# KiCad board Djinn.kicad_pcb (continued)
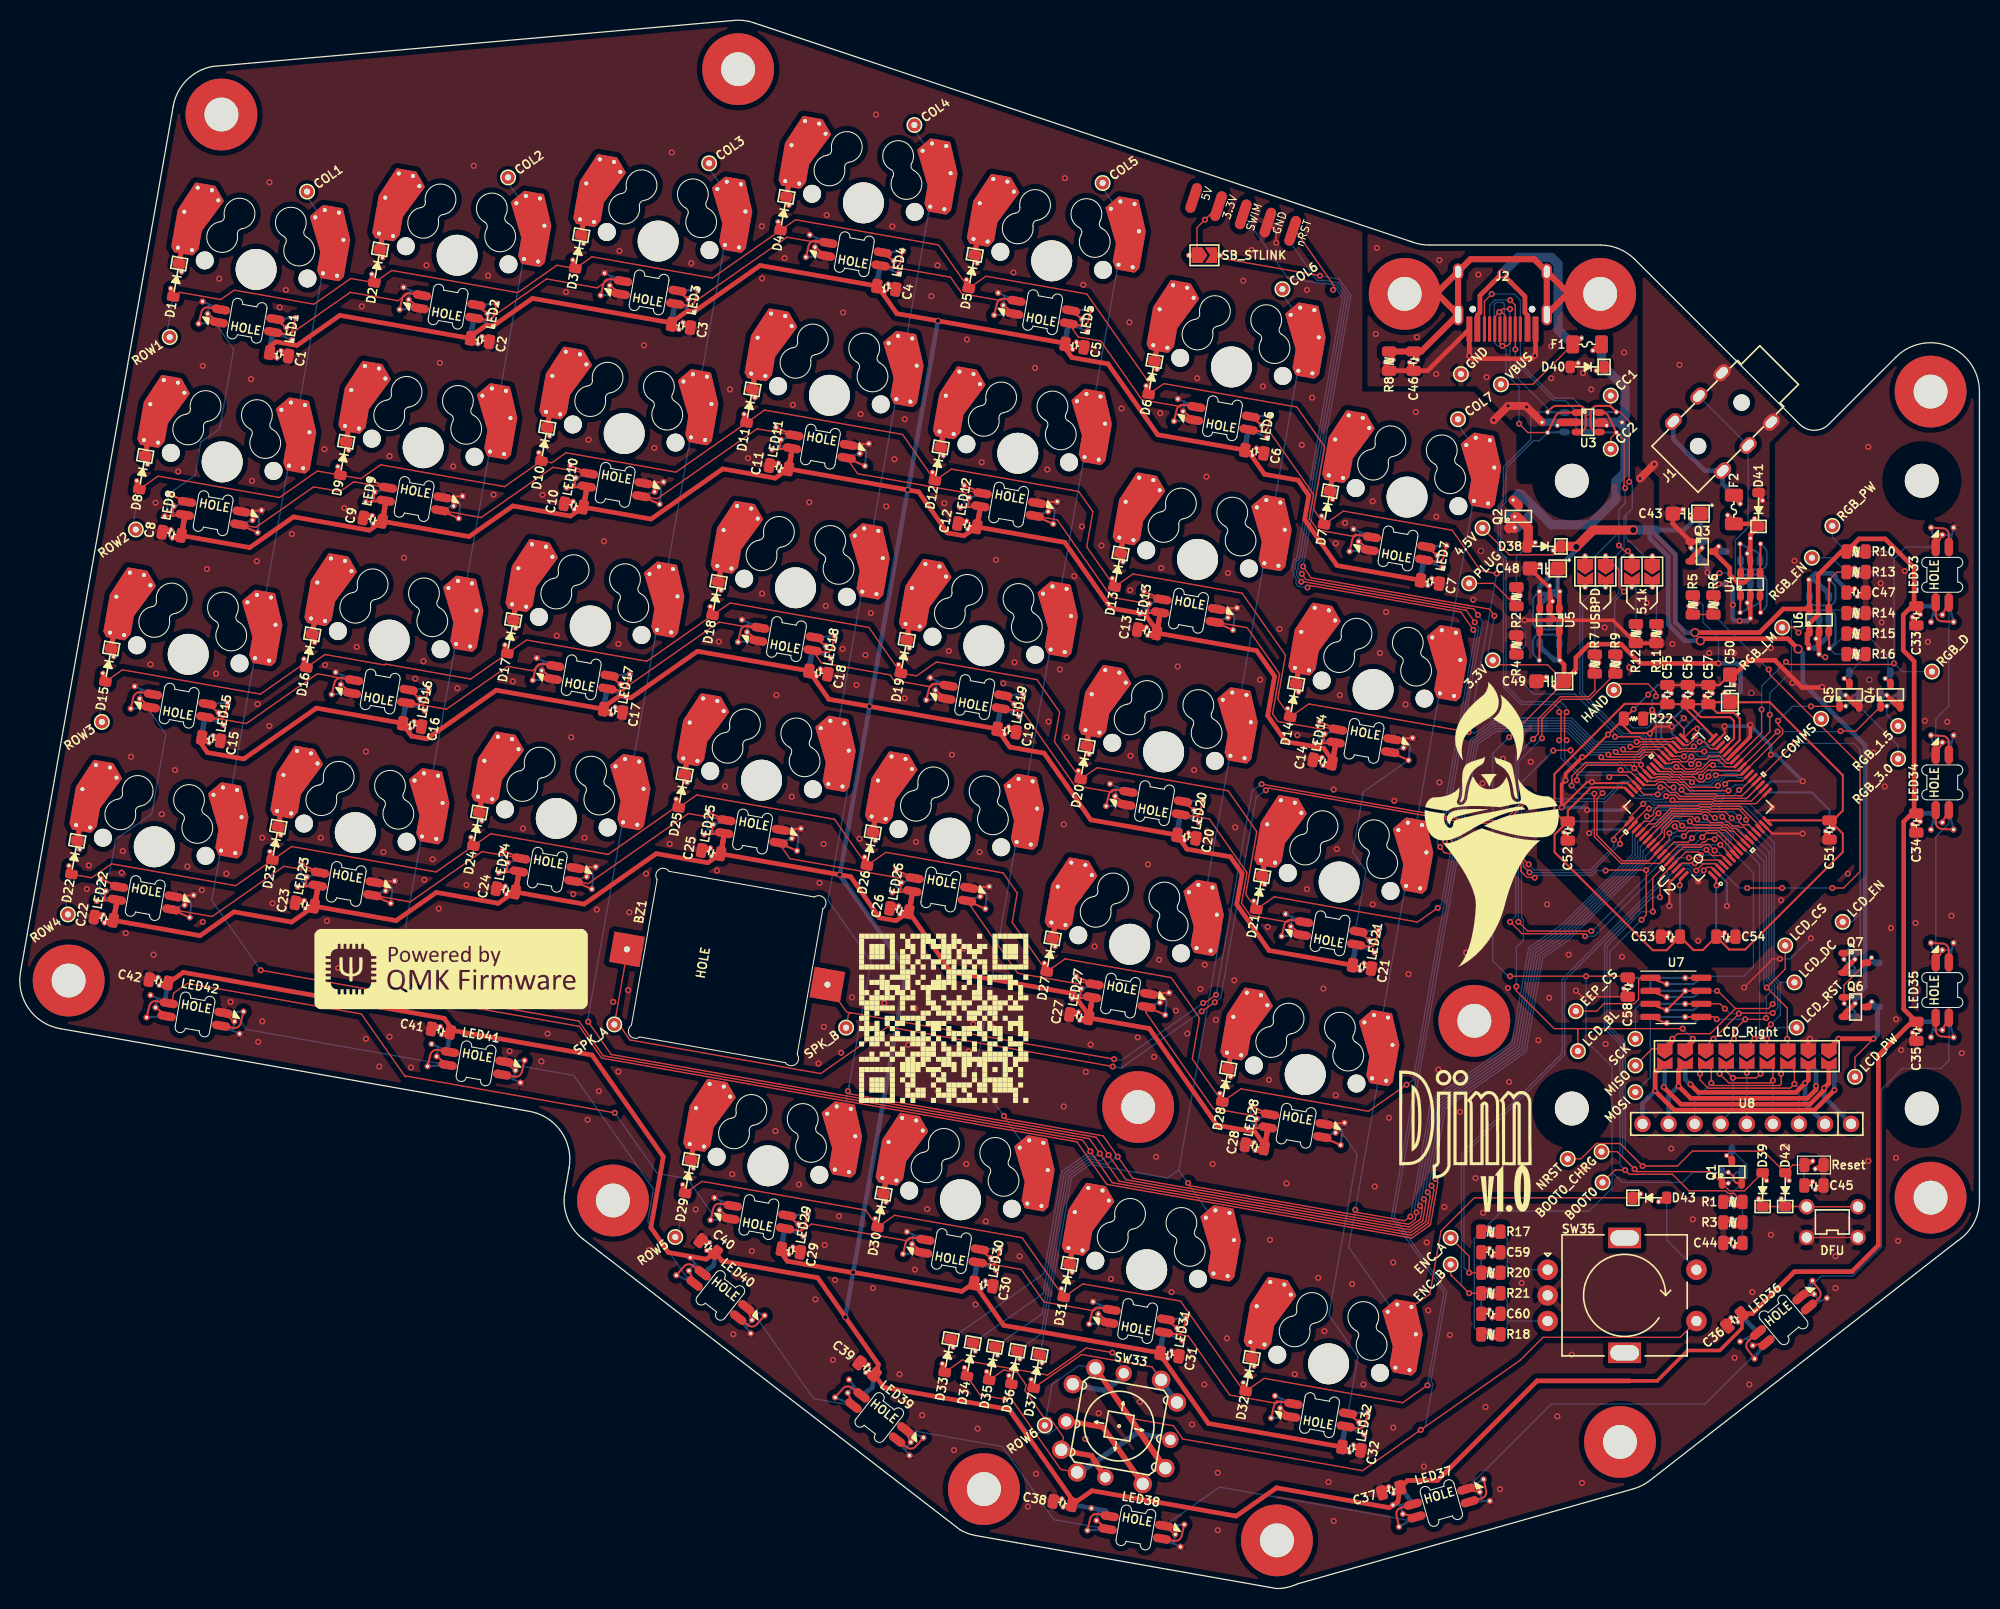
[diagram p0: board, top side]
## Routing (per net, layer and track width the routed paths; a pad name or vN(x,y) marks a point on that pad's centre or on a via; arc(x,y) is an arc through that point) (continued)
ROW5: length 184.8
  Top w0.127: v1(163.53,80.37) 163.04,79.88 162.27,79.88 161.99,80.16 161.97,80.16 161.54,80.59 161.23,80.59 161.2,80.56 161,80.56 160.9,80.45 160.3,80.45 U2.39 159.92,80.79 159.19,81.53 158.24,81.53 157.76,81.05 154.96,81.05 v1(154.73,81.29) ; v1(137.1,19.81) 134.67,18.11 121.18,20.49 D32.2 119.16,19.27 113.04,28.01 103.51,29.7 D31.2 97.61,34.19 85.17,36.38 D30.2 82.37,36.88 66.41,39.69 D29.2
  Bottom w0.127: v1(154.73,81.29) 154.49,81.53 153.05,81.53 150.75,83.83 146.27,83.83 146.82,83.83 ; v1(163.53,80.37) 164.25,80.37 164.64,80.76 165.23,80.76 165.54,80.44 166.68,80.44 U1.39 ; 148.77,83.83 146.82,83.83 ; 146.82,83.83 143.71,83.83 141.75,82.46 133.59,36.17 138.7,28.87 v1(137.1,19.81) ; TP30.1 64.04,34.43 D29.2 ; 146.19,83.83 146.3,83.83
ROW6: length 171.8
  Top w0.127: v1(164.92,80.27) 164.52,80.27 163.87,79.62 163.51,79.62 163.26,79.37 162.06,79.37 161.84,79.6 161.11,79.6 160.81,79.9 160.14,79.9 U2.40 158.8,81.24 158.31,81.24 157.87,80.8 154.26,80.8 v1(154.02,81.03) ; SW35.S1 161.72,24.49 148.36,24.49 146.11,22.23 ; SW33.4 112.35,15.86 113.25,14.57 130.76,11.49 136.21,15.3 ; 146.11,22.23 136.21,15.3 ; 146.11,22.23 146.17,22.27 ; 136.21,15.3 v1(136.44,15.46)
  Bottom w0.127: v1(154.02,81.03) 153.79,81.27 152.95,81.27 150.65,83.57 146.77,83.57 ; v1(164.92,80.27) 165.08,80.1 167.05,80.1 U1.40 ; 146.77,83.57 146.27,83.57 ; 146.77,83.57 144.04,83.57 ; 144.04,83.57 143.87,83.57 ; 144.04,83.57 143.79,83.57 141.98,82.31 133.86,36.23 138.97,28.93 137.44,20.23 137.63,19.96 136.89,15.78 v1(136.44,15.46) ; 146.41,83.57 146.27,83.57 ; 146.41,83.57 148.77,83.57 ; 146.41,83.57 146.32,83.57 ; TP32.1 100.51,19.9 103.15,21.75 SW33.4
SCK: length 50.8
  Top w0.127: U2.52 158.64,74.53 159.26,74.53 160.77,76.03 163.56,76.03 163.71,76.18 164.61,76.18 164.79,76 167.42,76 168.15,75.27 v1(168.15,74.93) ; 164.21,53.07 J5.5 ; v1(166.08,56.53) 165.6,57 163.8,57 ; v1(170.74,56.1) 167.44,56.1 v1(167.44,56.05) 164.98,53.59 v1(164.96,53.59) 164.2,52.83 164.2,52.62
  Bottom w0.127: v1(168.15,74.93) 168.15,74.73 U1.52 170.63,72.24 170.63,59.53 171.22,58.94 171.22,56.58 v1(170.74,56.1) ; 164.2,52.62 164.2,52.83 v1(164.96,53.59) ; TP2.1 157.36,56.49 157.86,56.99 U7.6 ; v1(167.44,56.05) 166.56,56.05 v1(166.08,56.53)
SK6812_EN: length 34
  Top w0.127: v1(161.35,80.09) 161.53,79.91 161.89,79.91 162.17,79.63 163.15,79.63 163.4,79.88 163.77,79.88 164.65,80.76 165.48,80.76 166.13,80.1 167.05,80.1 170.46,83.51 v1(170.46,85.19) ; U6.4 177.01,99.09 R13.1
  Bottom w0.127: v1(161.35,80.09) 159.96,80.09 U1.25 ; U6.4 174.31,96.12 172.56,94.37 172.56,89.39 170.46,87.29 v1(170.46,85.19) ; TP19.1 176.52,100.49 R13.1
SK6812_MTRX_IN: length 64.6
  Top w0.127: 37.43,49.98 37.51,49.86 ; 37.43,49.98 v1(57.91,46.37) ; 37.43,49.98 33.21,56 16.27,58.99 14.92,58.04 14.79,57.29 LED42.2
  Bottom w0.127: v1(57.91,46.37) 62.05,40.46 65,39.94 67.53,36.33 LED29.4
SK6812_PWM: length 52.3
  Top w0.127: v1(162.8,80.37) 163.29,80.86 164.27,80.86 164.55,81.14 165.57,81.14 166.25,80.45 166.69,80.45 U2.26 169.66,83.42 v1(169.66,85.69) ; v1(182.56,90.19) 182.45,90.08 172.29,90.08 v1(172.03,90.33)
  Bottom w0.127: U1.26 160.37,80.38 160.84,80.38 161.05,80.6 162.57,80.6 v1(162.8,80.37) ; LED33.4 183.69,101.52 182.56,100.39 ; 182.56,100.39 181.86,101.09 R10.2 ; 182.56,100.39 182.56,99.99 v1(182.56,90.19) 183.36,89.39 TP21.1 ; v1(172.03,90.33) 169.66,87.96 v1(169.66,85.69)
SK6812_PWR: length 1022.8
  Top w0.35: 156.81,20.24 159.48,20.24 162.44,23.2 165.57,23.2 167.74,25.37 C36.1
  Top w0.45: C36.1 168.77,26.79 172.86,30.89 178.46,30.89 181.03,33.46 181.03,51.97 184.03,54.97 184.45,54.97 C35.1 183.5,56.48 183.5,74.75 184.31,75.56 C34.1 184.52,75.77 184.52,90.39 183.46,91.46 183.46,94.91 184.31,95.76 C33.1 184.52,95.97 184.52,99.5 181.71,102.32 179.15,102.32 R10.1 177.43,101.09 175.16,98.82 175.16,94.93 174.31,94.07 U6.1 174.08,93.06 174.08,92.17 174.26,91.99 U6.1 ; C16.1 37.91,83.38 ; C16.1 38.11,83.09 39.6,82.83 46.36,87.57 C17.1 56.86,85.96 58.4,87.03 59.5,86.84 65.96,91.36 C18.1 78.75,86.69 v2(82.74,85.99) C19.1 96.41,82.02 99.74,81.44 104.29,74.93 C20.1 113.65,72.08 117.89,71.33 119.04,69.69 118.51,66.69 121.66,62.2 C21.1 ; C16.1 28.83,85.82 21.75,80.87 18.21,81.49 17.55,82.43 C15.1 ; C29.1 74.09,32.8 74.71,31.91 81.08,30.78 v2(81.14,30.82) 91.71,28.96 C30.1 95.8,25.65 96.89,25.46 C31.1 111.02,22.84 115.75,16.09 117.38,15.8 C32.1 ; C27.1 104.11,55.82 102.6,57.98 90.68,60.08 C26.1 85.31,65.1 83.7,65.38 80.9,69.39 v2(79.81,69.58) C25.1 66.97,70.75 61.95,71.64 54.92,66.71 C24.1 48.14,67.91 46.54,66.79 40.52,67.85 36.6,65.11 C23.1 26.42,64.97 20.8,65.96 17.49,63.64 C22.1 ; C8.1 22.33,101.47 26.6,104.47 33.99,103.16 C9.1 43.71,102.54 47.98,105.53 53.58,104.54 C10.1 61.43,104.25 68.42,109.14 73.54,108.24 C11.1 v2(86.45,107.09) 87.51,106.91 90.32,102.9 91.93,102.62 C12.1 101.75,101.98 106.24,95.57 109.58,94.98 110.55,93.61 110.51,93.41 C13.1 120.45,91.43 122.2,88.93 121.52,85.09 123.29,82.56 127,81.91 127.84,80.7 C14.1 ; C42.1 15.86,60.06 41.3,55.58 41.95,54.64 C41.1 42.13,54.39 55.69,52 62.64,42.08 61.42,35.19 63.13,32.75 66.82,32.1 C40.1 68.32,31.94 77.68,30.29 v2(80.37,26.44) 83.59,21.85 83.44,21 C39.1 84.1,19.61 96.32,17.46 102.54,8.58 C38.1 104.41,9.53 118.46,7.06 122.39,9.81 133.37,7.88 134.22,8.47 C37.1 135.15,10.53 138.07,10.53 147.78,20.24 156.81,20.24 ; C7.1 128.28,99.72 126.75,101.91 126.74,101.91 125.13,104.21 125.54,106.54 124.49,108.04 121.21,108.62 119.36,111.27 C6.1 110.81,112.47 105.97,119.38 102.44,120 101.73,121.02 C5.1 101.73,121.4 v2(89.4,123.57) 85.39,124.28 83.51,126.96 C4.1 72.08,128.97 65.62,124.45 65.01,124.56 63.48,123.48 C3.1 63.33,123.4 49.88,125.77 46.03,123.07 45.43,123.17 43.89,122.1 C2.1 31.11,124.11 26.93,121.18 24.91,121.54 24.38,121.17 C1.1 ; C27.1 109.99,54.58 116.59,45.16 120.3,44.5 121.23,43.18 C28.1
  Bottom w0.127: R10.1 176.55,102.46 TP17.1
  Bottom w0.45: C42.1 14.12,57.54 LED42.1 ; C33.1 186.27,95.76 LED33.1 ; C37.1 134.54,9.83 135.68,8.2 ; C39.1 83,19.57 LED39.1 ; C36.1 167.74,26.51 LED36.1 ; LED40.1 67.52,31.48 C40.1 ; C35.1 186.24,55.25 LED35.1 ; v2(80.37,26.44) 80.37,26.45 v2(81.14,30.82) 81.14,30.83 86.33,60.26 v2(79.81,69.58) 79.85,69.6 v2(82.74,85.99) 82.73,86 v2(86.45,107.09) 86.5,107.13 v2(89.4,123.57) ; C38.1 105.76,7.59 LED38.1 ; LED34.1 186.31,75.56 C34.1 ; U6.1 176.21,92.91 174.93,91.64 U6.1 ; LED41.1 41.6,52.64 C41.1
SPLIT_COMMS: length 54.1
  Top w0.127: v1(163.14,70.7) 161.88,70.7 U2.62 ; R5.1 R6.1 ; 172.26,87.29 170.46,89.09 170.46,89.49 v1(170.36,89.59) ; 172.26,87.29 175.46,84.09 ; 172.26,87.29 172.66,86.89 ; 175.46,84.09 TP14.1 ; 175.46,84.09 179.26,80.29 179.26,69.89 177.66,68.29 v1(176.56,68.29) ; v1(171.66,68.29) v1(168.26,68.29)
  Bottom w0.127: v1(163.14,70.7) 165.1,70.7 U1.62 165.62,70.13 167.46,68.29 v1(168.26,68.29) ; R6.1 170.32,89.59 v1(170.36,89.59) ; v1(176.56,68.29) v1(171.66,68.29)
SPLIT_HAND_PIN: length 17.4
  Top w0.127: R22.2 158.13,84.79 v1(158.99,85.65) 159.67,84.97 160.94,84.97 162.08,83.84 U2.33 162.99,83.82 v1(163.36,83.82) ; TP42.1 155.86,88.19 158.58,88.19 159.36,87.41 v1(159.36,86.99)
  Bottom w0.127: v1(163.36,83.82) 164,83.82 U1.33 ; R22.2 158.13,84.79 v1(158.99,85.65) 158.99,86.62 v1(159.36,86.99)
SWCLK: length 120
  Top w0.127: v1(158.68,76.03) 158.52,76.03 157.13,74.64 U2.50 155.86,73.16 v1(155.86,72.59) ; v1(147.04,69.81) 146.47,70.38 146.46,70.38 146.46,70.39 146.46,70.73 145.75,71.43 144.3,71.43 ; 143.23,71.43 144.3,71.43 ; 142.21,71.43 141.96,71.43 ; 142.21,71.43 144.3,71.43 ; 142.21,71.43 141.87,71.43 139.51,71.85 v1(138.81,72.84) ; v1(124.79,98.14) 124.84,98.18 138.71,95.73 140.9,95.35 v1(141.71,94.19)
  Bottom w0.127: U1.50 168.06,76.22 165.82,76.22 165.57,76.47 161.68,76.47 161.32,76.11 158.77,76.11 v1(158.68,76.03) ; v1(138.81,72.84) 138.44,73.38 138.52,73.87 138.63,73.94 142.1,93.63 v1(141.71,94.19) ; v1(155.86,72.59) 153.06,69.79 147.06,69.79 v1(147.04,69.81) ; v1(124.79,98.14) 124.34,98.8 124.39,99.13 124.19,99.42 124.31,100.09 124.58,100.29 129.1,125.9 128.31,127.03 126.96,127.27 126.83,127.18 123.47,127.78 J3.6
SWDIO: length 115.8
  Top w0.127: v1(158.13,76.5) 156.78,75.15 U2.49 155.25,73.26 v1(155.25,72.99) ; 144.16,71.69 141.96,71.69 140.04,72.02 v1(138.97,73.55) ; 144.16,71.69 142.76,71.69 ; 144.16,71.69 145.86,71.69 v1(146.96,70.59) ; v1(124.85,98.91) 125.24,98.37 141.61,95.48 v1(142.02,94.9)
  Bottom w0.127: U1.49 168.52,76.48 165.92,76.48 165.67,76.73 161.58,76.73 161.21,76.37 159.14,76.37 158.74,76.77 158.4,76.77 v1(158.13,76.5) ; v1(155.25,72.99) 155.25,72.34 152.95,70.04 147.5,70.04 v1(146.96,70.59) ; J3.2 123.76,131.18 126.31,127.53 126.77,127.45 126.9,127.54 128.45,127.27 129.37,125.96 124.81,100.14 124.54,99.95 124.46,99.48 v1(124.85,98.91) ; v1(142.02,94.9) 142.47,94.26 138.85,73.73 v1(138.97,73.55)
UCPD_CC1: length 68.4
  Top w0.127: v1(165.07,73.04) 164.4,73.04 164.11,72.75 163.91,72.75 163.66,72.5 161.56,72.5 U2.59 159.75,70.69 155.97,70.69 153.36,73.29 v1(153.36,77.49) ; v1(165.4,78.26) 165.25,78.11 162.66,78.11 162.17,78.6 161.75,78.6 161.52,78.84 160.8,78.84 160.49,79.14 159.42,79.14 159.33,79.04 158.88,79.04 U2.43 157.89,80.03 v1(157.89,80.31) 157.68,80.52 152.49,80.52 151.17,79.19 151.17,78.88 ; 151.17,78.88 151.17,78.55 ; 151.17,78.88 151.17,78.29 v1(151.14,78.27)
  Bottom w0.127: v1(165.07,73.04) 165.37,73.34 166,73.34 166.16,73.18 166.16,71.76 U1.59 ; v1(165.4,78.26) 165.4,78.41 166.16,79.18 167.18,79.18 167.32,79.04 168.1,79.04 U1.43 ; 152.21,94.73 152.21,96.16 SB2.2 ; 152.21,94.73 152.21,94.96 ; 152.21,94.73 152.21,87.33 152.56,86.99 ; v1(151.14,78.27) 151.93,77.49 v1(153.36,77.49) ; 152.56,86.99 156.2,83.34 158.03,83.34 158.43,82.95 158.43,81.84 157.89,81.3 v1(157.89,80.31) ; 152.56,86.99 152.36,87.19
UCPD_CC2: length 67.8
  Top w0.127: v1(166.43,77.78) 166.42,77.77 162.64,77.77 162.06,78.35 161.65,78.35 161.42,78.58 160.69,78.58 160.39,78.89 159.53,78.89 159.33,78.69 158.53,78.69 U2.44 158.19,79.03 v1(157.25,79.96) 156.95,80.27 152.64,80.27 151.66,79.29 v1(151.66,78.79) ; v1(160.67,73.64) 160.67,73.02 U2.57 159.6,71.85 158.7,70.94 156.07,70.94 154.39,72.62 154.39,72.65 153.61,73.43 153.61,76.99 v1(154.16,77.54)
  Bottom w0.127: v1(160.67,73.64) 161.2,73.64 161.39,73.83 163.18,73.83 163.53,74.19 164.31,74.19 164.56,73.94 166.12,73.94 166.67,73.39 166.67,72.66 U1.57 ; v1(166.43,77.78) 166.73,78.08 166.81,78.08 167.07,78.34 168.11,78.34 U1.44 ; v1(154.16,77.54) 153.61,78.09 152.36,78.09 v1(151.66,78.79) ; 152.18,87.01 151.96,87.23 151.96,97.91 SB2.4 ; 152.18,87.01 152.1,87.08 ; 152.18,87.01 156.1,83.09 157.93,83.09 158.17,82.84 158.17,81.94 157.25,81.02 v1(157.25,79.96)
V_USB: length 49.1
  Top w0.127: F1.2 147.36,117.39 TP3.1
  Top w0.45: J2.A4 146.85,124.12 146.59,124.38 146.59,125.95 v3(144.36,128.19) 142.21,126.04 142.21,124.38 141.95,124.12 J2.A4
  Bottom w0.45: J2.A4 141.95,124.12 142.21,124.38 142.21,126.04 v3(144.36,128.19) 146.59,125.95 146.59,124.38 146.85,124.12 J2.A4
  Bottom w0.9: v3(144.36,128.19) 145.94,129.77 149.18,129.77 149.82,129.12 149.82,122.72 F1.2
Net-(D33-Pad2): length 20.1
  Top w0.127: D33.2 91.77,22.27 100.08,20.81 103.84,23.44 v1(106.39,22.99)
  Bottom w0.127: v1(106.39,22.99) 107.56,21.32 SW33.1
Net-(D34-Pad2): length 12.7
  Top w0.127: v1(95.94,18.44) 93.5,18.87 D34.2
  Bottom w0.127: v1(95.94,18.44) 98.07,15.4 100.13,15.04 SW33.2
Net-(D35-Pad2): length 12.4
  Top w0.127: D35.2 95.81,21.3 97.12,21.07 97.97,19.85 97.88,19.3 99.68,16.72 100.32,16.61 101.63,14.74 SW33.3
Net-(D36-Pad2): length 11.5
  Top w0.127: D36.2 96.35,18.76 101.37,11.6 SW33.5
Net-(D37-Pad2): length 14.2
  Top w0.127: D37.2 103.38,22.81 110.26,21.6 SW33.6
Net-(D39-Pad1): length 9.3
  Top w0.127: D42.1 174.03,37.24 SW34.2 SW34.2 ; D42.1 D39.1 ; D42.1 D42.1
Net-(D43-Pad2): length 8.2
  Bottom w0.127: D43.2 160.41,33.97 SW35.S2
Net-(J1-PadR): length 25.9
  Top w0.127: v1(165.56,98.99) 164.96,98.39 R6.2
  Bottom w0.127: J1.R J1.R 168.35,103.45 167.09,102.19 167.09,98.5 U4.3 166.61,98.99 v1(165.56,98.99)
Net-(J3-Pad7): length 7.5
  Top w0.127: SB3.1 114.64,132.66 v1(115.41,133.43) J3.7
  Bottom w0.127: v1(115.41,133.43) J3.7
Net-(LED1-Pad2): length 16.2
  Top w0.127: LED1.2 26.2,122.21 32.13,126.36 36.78,125.54 37.85,126.29 LED2.4
Net-(LED1-Pad4): length 19.7
  Bottom w0.127: LED1.4 19.23,123.01 20.78,120.8 19.41,113.04 17.57,111.75 17,108.51 LED8.2
Net-(LED2-Pad2): length 16.2
  Top w0.127: LED2.2 45.51,123.64 51.25,127.66 56.18,126.79 57.44,127.67 LED3.4
Net-(LED3-Pad2): length 17.1
  Top w0.127: LED3.2 65.1,125.02 74.68,131.73 78.53,131.05 LED4.4
Net-(LED4-Pad2): length 14.3
  Top w0.127: LED4.2 83.86,129.02 90.63,127.82 91.76,126.22 95.52,125.56 95.79,125.74 LED5.4
Net-(LED5-Pad2): length 16.3
  Top w0.127: LED6.4 113.31,115.4 113.04,115.21 109.28,115.88 105.26,121.61 103.08,121.99 LED5.2
Net-(LED6-Pad2): length 18.7
  Top w0.127: LED7.4 130.07,102.77 129.8,102.58 126.38,103.19 125.59,104.32 126,106.64 121.79,112.66 119.73,113.02 LED6.2
Net-(LED8-Pad4): length 16.2
  Top w0.127: LED9.2 32.48,107.89 31.12,106.94 28.56,107.39 22.92,103.44 LED8.4
Net-(LED10-Pad2): length 16.2
  Top w0.127: LED9.4 44.88,104.4 51.88,109.3 LED10.2
Net-(LED10-Pad4): length 17.1
  Top w0.127: LED10.4 62.02,106.22 71.78,113.05 LED11.2
Net-(LED11-Pad4): length 14.3
  Top w0.127: LED11.4 81.57,108.67 92.18,106.8 92.44,106.99 LED12.2
Net-(LED12-Pad4): length 16.6
  Top w0.127: LED13.2 109.96,96.65 109.21,96.11 106.31,96.63 101.02,104.18 LED12.4
Net-(LED13-Pad4): length 19.6
  Top w0.127: LED13.4 119.54,93.66 122.69,89.16 122,85.27 122.52,84.52 126.8,83.77 127.07,83.96 LED14.2
Net-(LED14-Pad4): length 19.7
  Bottom w0.127: LED21.2 130.12,64.4 131.1,69.97 129.82,71.81 130.85,77.66 LED14.4
Net-(LED15-Pad2): length 16.2
  Top w0.127: LED16.4 30.89,88.83 30.85,88.8 30.39,88.88 30.37,88.92 28.93,89.17 21.99,84.31 18.07,85.01 LED15.2
Net-(LED15-Pad4): length 19.7
  Bottom w0.127: LED22.2 8.69,69.8 9.26,73.02 12.79,75.49 14.16,83.28 12.62,85.49 LED15.4
Net-(LED16-Pad2): length 16.2
  Top w0.127: LED17.4 50.82,90.15 49.85,89.47 47.46,89.89 41.49,85.71 37.66,86.39 LED16.2
Net-(LED17-Pad2): length 17.1
  Top w0.127: LED18.4 71.92,93.53 68.07,94.21 58.48,87.5 LED17.2
Net-(LED18-Pad2): length 14.4
  Top w0.127: LED18.2 78.03,90.24 84.73,89.06 85.1,88.53 88.7,87.89 89.17,88.22 LED19.4
Net-(LED19-Pad2): length 16.4
  Top w0.127: LED19.2 95.59,85.84 97.67,85.48 102.72,78.27 106.34,77.63 106.69,77.88 LED20.4
Net-(LED20-Pad2): length 19.1
  Top w0.127: LED20.2 113.11,75.5 115.84,75.02 119.5,69.79 118.98,66.79 119.8,65.61 123.47,64.96 123.8,65.19 LED21.4
Net-(LED22-Pad4): length 16.2
  Top w0.127: LED23.2 25.67,70.4 18.67,65.5 LED22.4
Net-(LED23-Pad4): length 16.2
  Top w0.127: LED23.4 37.97,66.93 44.97,71.83 LED24.2
Net-(LED24-Pad4): length 17.1
  Top w0.127: LED24.4 55.31,68.71 65.07,75.55 LED25.2
Net-(LED25-Pad4): length 14.3
  Top w0.127: LED26.2 85.83,69.47 85.56,69.28 74.96,71.15 LED25.4
Net-(LED26-Pad4): length 16.3
  Top w0.127: LED26.4 97.17,59.98 103.08,58.94 103.35,59.12 LED27.2
Net-(LED27-Pad4): length 17.7
  Top w0.127: LED28.2 120.45,46.44 120,46.12 116.22,46.78 109.65,56.17 LED27.4
Net-(LED28-Pad4): length 31.1
  Bottom w0.127: LED32.2 130.33,22.6 127.49,26.65 130.25,42.31 128.34,45.05 LED28.4
Net-(LED29-Pad2): length 14.2
  Top w0.127: LED29.2 76.08,34.83 77.09,35.54 86.43,33.89 86.9,34.22 LED30.4
Net-(LED30-Pad2): length 15
  Top w0.127: LED30.2 94.84,31.52 94.9,31.56 97.52,31.1 99.74,27.92 104.58,27.07 105.04,27.39 LED31.4
Net-(LED31-Pad2): length 15.8
  Top w0.127: LED32.4 122.43,18.28 122.16,18.09 117.83,18.86 113.81,24.6 111.47,25.01 LED31.2
Net-(LED33-Pad2): length 15.4
  Bottom w0.127: LED33.2 187.9,86.03 186.62,84.75 LED34.4
Net-(LED34-Pad2): length 15.4
  Bottom w0.127: LED35.4 186.62,73.28 187.9,74.56 LED34.2
Net-(LED35-Pad2): length 37.2
  Bottom w0.127: LED36.4 175.48,30.46 178.53,30.46 181.35,33.28 181.35,48.67 183.39,50.7 187.14,50.7 187.9,51.46 LED35.2
Net-(LED36-Pad2): length 35.2
  Bottom w0.127: 140.87,9.69 149.15,17.98 164.14,17.98 LED36.2
Net-(LED37-Pad2): length 26.2
  Bottom w0.127: LED38.4 116.84,9.88 135.49,6.6 136.03,6.97
Net-(LED38-Pad2): length 23.6
  Bottom w0.127: LED39.4 95.69,13.84 100.68,6.71 LED38.2
Net-(LED39-Pad2): length 15.1
  Bottom w0.127: LED39.2 77.27,18.51 71.07,27.35 LED40.4
Net-(LED40-Pad2): length 31.5
  Bottom w0.127: LED41.4 47.44,50.95 47.86,50.88 48.08,51.04 53.91,50.01 61.67,38.93 61.12,35.77 65.3,29.8 LED40.2
Net-(LED41-Pad2): length 22.9
  Bottom w0.127: LED41.2 22.03,54.49 21.04,55.89 LED42.4
Net-(Q1-Pad3): length 6.6
  Bottom w0.127: Q1.3 168.22,41.29 168.22,39.99 R1.2
Net-(Q4-Pad3): length 4.8
  Bottom w0.127: R15.2 181.98,90.9 181.98,89.5 Q4.3
Net-(Q5-Pad3): length 2.5
  Bottom w0.127: Q5.3 179.8,90.85 R16.2
Net-(Q6-Pad1): length 4.3
  Top w0.127: Q7.3 177.68,58.81 Q6.1
Net-(R7-Pad1): length 55
  Top w0.127: U2.5 165.77,71.45 164.84,71.45 v1(164.28,72.01) ; v1(152.46,63.59) 152.21,63.83 146.31,63.83 v1(145.16,64.99) ; R7.1 153.41,87.54 152.81,86.94 150.05,86.94 147.9,84.79 147.9,83.32 v1(147.38,82.8)
  Bottom w0.127: v1(164.28,72.01) 161.57,72.01 160.67,71.1 U1.5 153.71,63.94 153.36,63.59 v1(152.46,63.59) ; v1(147.38,82.8) 145.7,81.12 145.7,65.53 v1(145.16,64.99)
Net-(R9-Pad1): length 55
  Top w0.127: v1(165.64,72.5) 166.68,71.47 U2.6 ; v1(145.96,64.99) 146.86,64.09 v1(153.06,64.09) ; v1(148.26,82.89) 148.26,84.79 150.16,86.69 152.91,86.69 R9.1
  Bottom w0.127: v1(165.64,72.5) 163.91,72.5 163.7,72.3 161.36,72.3 U1.6 153.7,64.63 153.7,64.62 153.16,64.09 v1(153.06,64.09) ; v1(145.96,64.99) 145.96,80.59 v1(148.26,82.89)
Net-(R11-Pad1): length 4.6
  Bottom w0.127: SB1.4 159.41,98.01 R11.1
Net-(R12-Pad1): length 4.6
  Bottom w0.127: SB1.2 157.41,98.01 R12.1
Net-(U1-Pad2): length 4.6
  Top w0.127: v1(164.02,70) 164.32,70.3 164.8,70.3 U2.2
  Bottom w0.127: U1.2 162.06,70.17 162.52,70.17 162.81,69.88 162.81,69.75 163.06,69.5 163.52,69.5 v1(164.02,70)
Net-(U1-Pad17): length 14.5
  Top w0.127: U2.17 169.11,76.51 165,76.51 164.82,76.69 161.14,76.69 v1(160.98,76.86)
  Bottom w0.127: U1.17 157.36,77.02 158.84,77.02 159.2,76.67 160.79,76.67 v1(160.98,76.86)
Net-(U1-Pad22): length 11.4
  Top w0.127: v1(166.11,78.43) 166.41,78.73 167.79,78.73 U2.22
  Bottom w0.127: v1(166.11,78.43) 166.11,78.21 165.64,77.74 163.03,77.74 161.68,79.09 160.9,79.09 160.9,79.09 159.37,79.09 159.33,79.04 158.88,79.04 U1.22
Net-(U1-Pad30): length 5.1
  Top w0.127: U2.30 165.27,81.86 164.72,81.86 164.04,82.54 v1(163.62,82.54)
  Bottom w0.127: v1(163.62,82.54) 163.58,82.57 162.86,82.57 162.15,81.87 161.71,81.87 U1.30
Net-(U1-Pad41): length 10
  Top w0.127: v1(164.47,79.16) 163.95,78.64 163.54,78.64 163.06,79.12 161.96,79.12 161.73,79.34 161.01,79.34 160.7,79.65 159.69,79.65 U2.41
  Bottom w0.127: U1.41 167.74,79.87 167.55,79.68 165.52,79.68 165.42,79.78 164.95,79.78 164.47,79.3 v1(164.47,79.16)
Net-(U1-Pad42): length 10.5
  Top w0.127: U2.42 159.23,79.4 160.6,79.4 160.9,79.09 161.63,79.09 161.85,78.86 162.6,78.86 v1(162.87,78.6)
  Bottom w0.127: U1.42 167.68,79.32 167.4,79.32 167.29,79.43 166.06,79.43 165.42,78.79 165.18,78.79 164.69,78.3 163.17,78.3 v1(162.87,78.6)

## Copper pours and planes (outline as drawn; the poured copper is in the pictures)
GND on Top: 221.42,-2.38 -13.13,-2.38 -13.13,160.05 221.42,160.05
GND on Bottom: 221.42,-2.38 -13.13,-2.38 -13.13,160.05 221.42,160.05
